# Allegro board meta_module_lay_rev1.brd (continued)
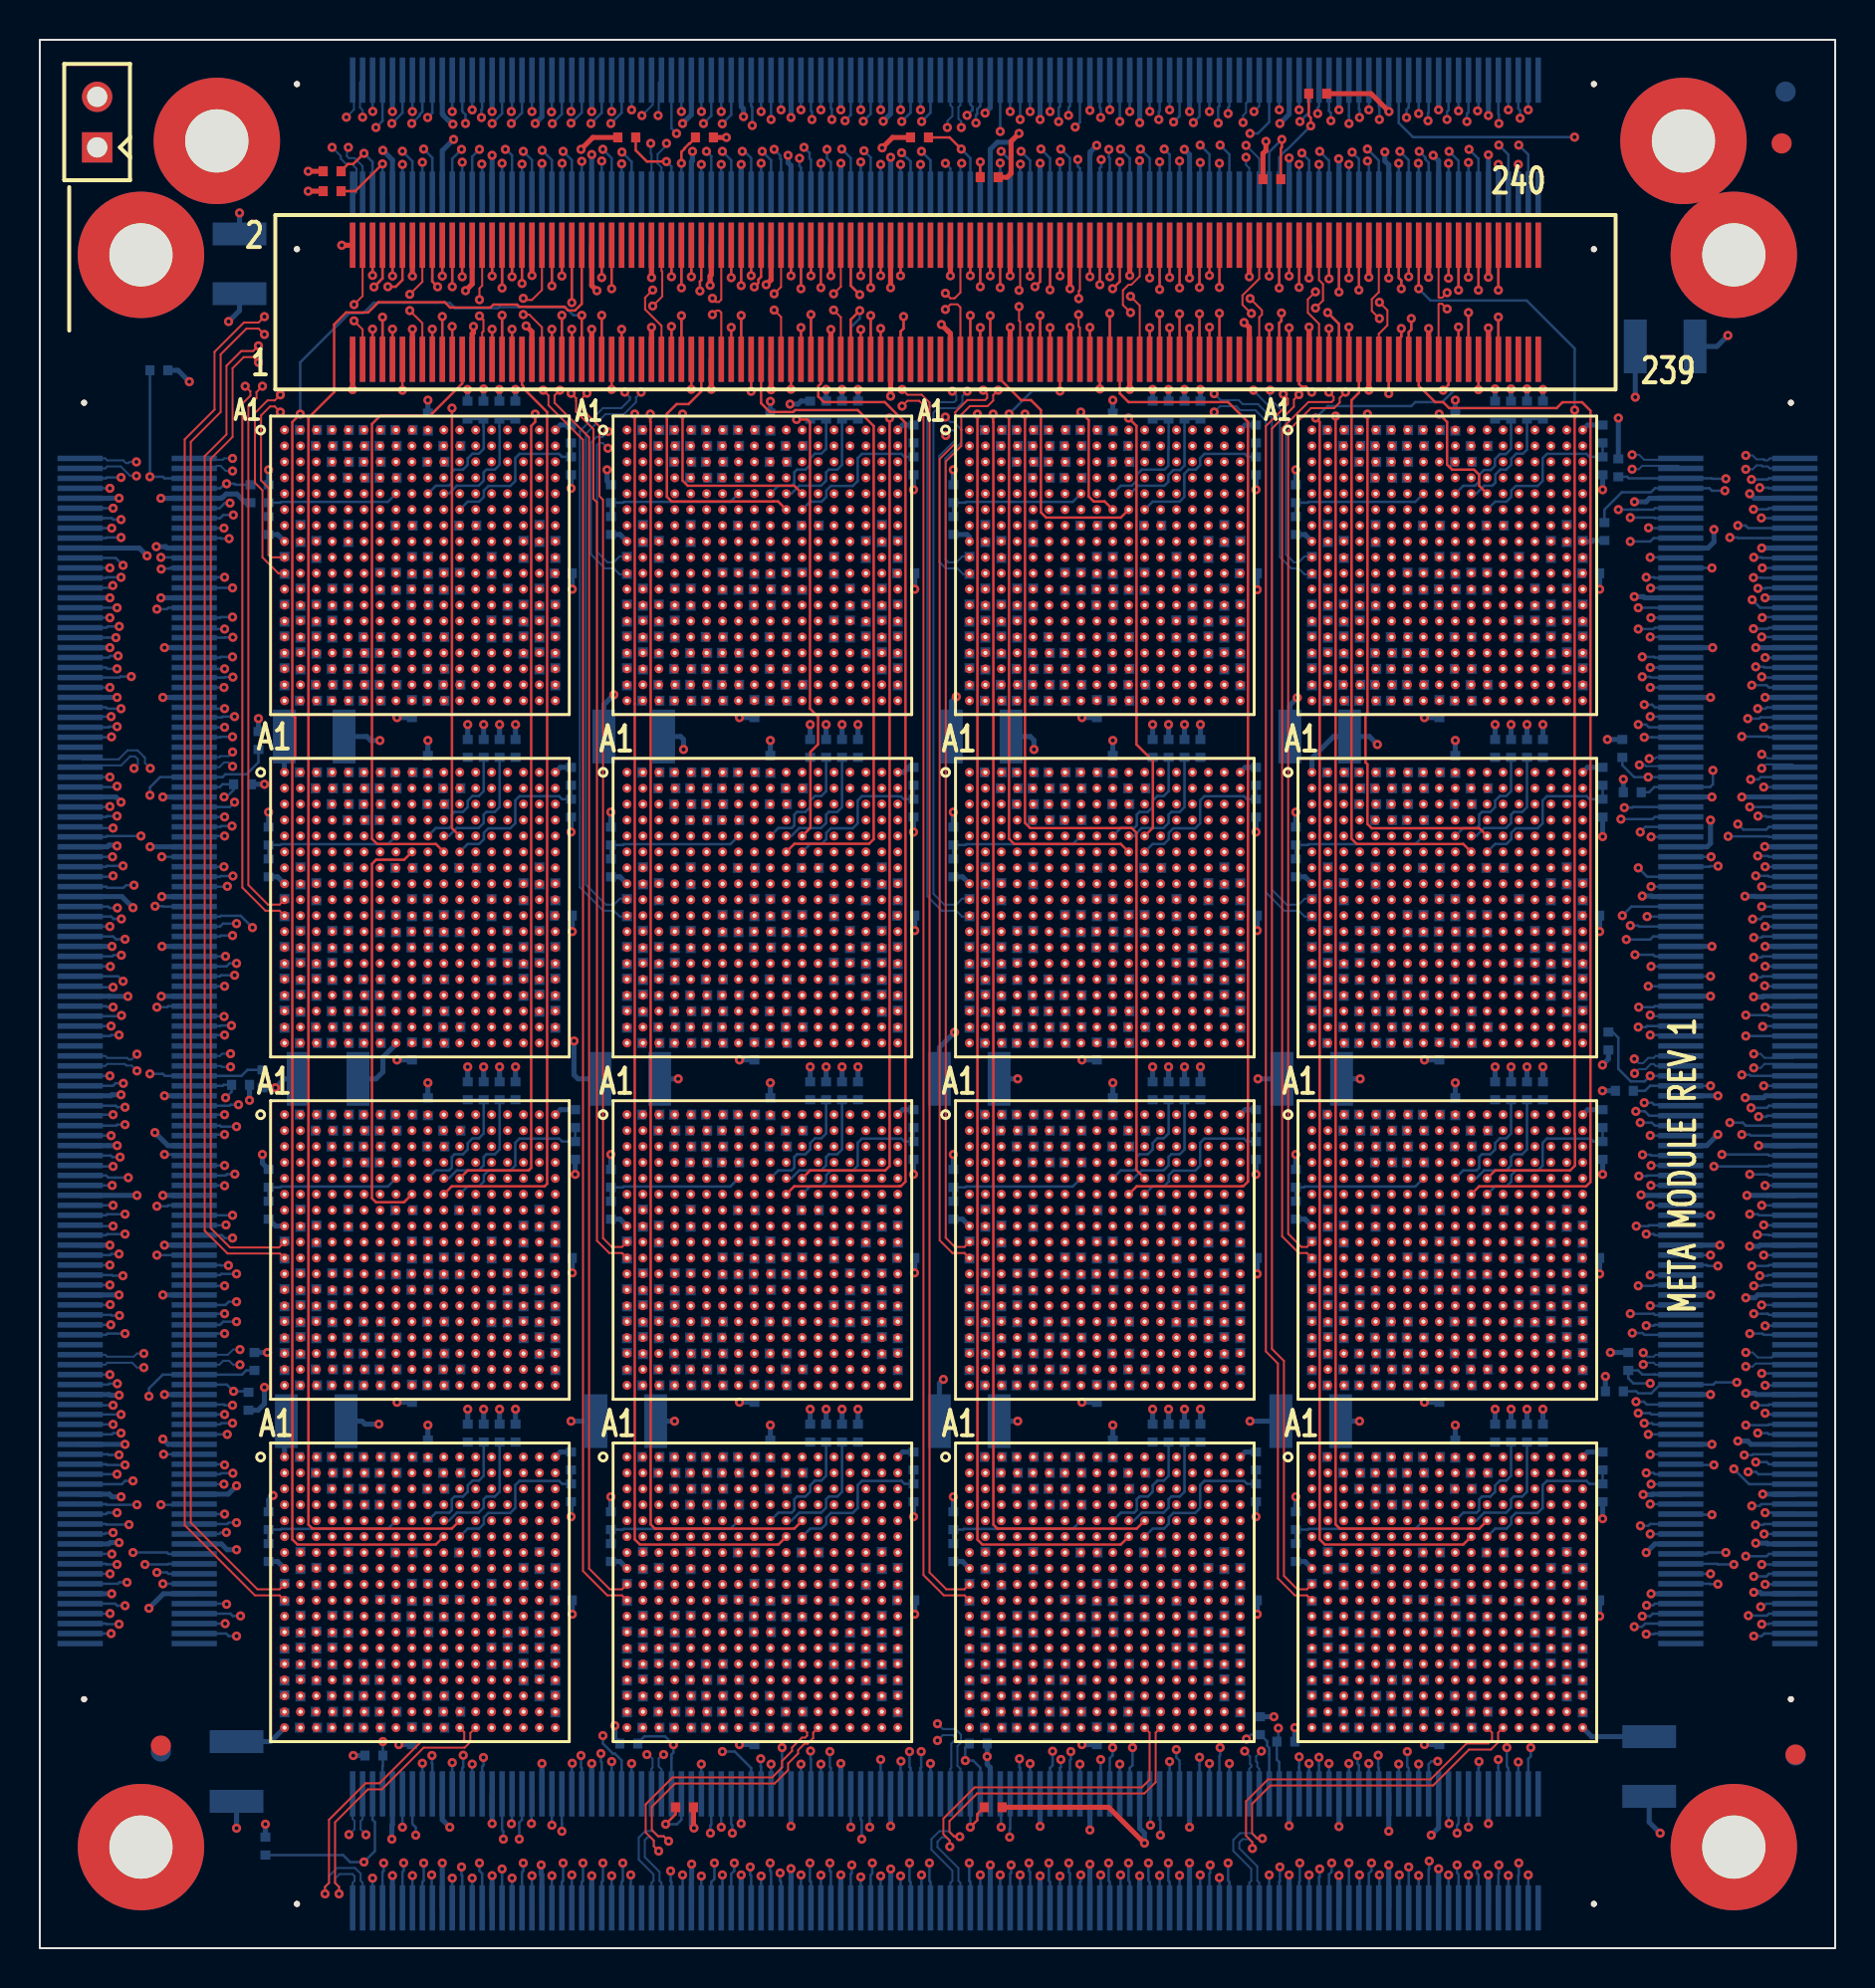
[diagram p0: board, top side]
## Routing (per net, layer and track width the routed paths; a pad name or vN(x,y) marks a point on that pad's centre or on a via; arc(x,y) is an arc through that point) (continued)
NS_DATA_P14_SNOW4-4: length 17.3
  SIGNAL_L9 w0.083: U13.T6 68.29,30.28 68.29,31.62 68.55,31.88 74.43,31.88 74.69,31.62 74.69,31.28 74.89,31.08 75.23,31.08 75.49,30.82 75.49,27.63 76.29,26.83 76.29,24.28 U14.B16
NS_DATA_P15: length 13.8
  SIGNAL_L5 w0.083: U2.R7 34.69,48.28 40.81,48.28 41.08,48.01 41.08,47.76 41.4,47.45 41.64,47.45 41.88,47.21 41.88,45.1 42.29,44.69 U9.A17
NS_DATA_P15_SNOW4-1: length 13.8
  SIGNAL_L5 w0.083: U1.R7 34.69,65.48 40.81,65.48 41.08,65.21 41.08,64.96 41.4,64.65 41.64,64.65 41.88,64.41 41.88,62.3 42.29,61.89 U2.A17
NS_DATA_P15_SNOW4-2: length 13.8
  SIGNAL_L5 w0.083: U5.R7 69.09,65.48 75.21,65.48 75.48,65.21 75.48,64.96 75.8,64.65 76.04,64.65 76.28,64.41 76.28,62.3 76.69,61.89 U6.A17
NS_DATA_P15_SNOW4-3: length 13.8
  SIGNAL_L5 w0.083: U10.A17 42.29,27.49 41.88,27.9 41.88,30.01 41.64,30.25 41.4,30.25 41.08,30.56 41.08,30.81 40.81,31.08 34.69,31.08 U9.R7
NS_DATA_P15_SNOW4-4: length 13.8
  SIGNAL_L5 w0.083: U13.R7 69.09,31.08 75.21,31.08 75.48,30.81 75.48,30.56 75.8,30.25 76.04,30.25 76.28,30.01 76.28,27.9 76.69,27.49 U14.A17
NS_DATA_P16: length 12.1
  SIGNAL_L5 w0.083: U15.D12 55.09,39.88 55.09,40.4 54.8,40.69 53.69,40.69 53.49,40.89 53.49,42.29 52.89,42.89 51.07,42.89 48.69,45.27 48.69,45.6 48.44,45.85 47.86,45.85 U8.V2
NS_DATA_P17: length 15.4
  SIGNAL_L9 w0.083: U15.C13 55.89,39.88 55.89,39.29 55.69,39.09 55.36,39.09 55.11,38.84 55.11,38.51 54.89,38.29 52.09,38.29 51.89,38.49 51.89,38.89 51.68,39.1 51.22,39.1 51.07,39.25 51.07,42.31 48.69,44.69 48.69,45.88 U8.U3
NS_DATA_P18: length 19.6
  SIGNAL_L6 w0.083: U15.B14 56.71,41.46 56.71,42.65 55.5,43.86 55.5,44.7 55.89,45.09 55.89,46.42 56.16,46.69 56.49,46.69 56.69,46.89 56.69,48.82 56.45,49.06 56.09,49.06 55.89,49.26 55.89,49.69 55.72,49.86 52.13,49.86 51.87,49.6 51.87,47.72 51.64,47.49 49.5,47.49 U8.T4
NS_DATA_P19: length 13.3
  SIGNAL_L5 w0.083: U8.R5 50.3,48.29 50.89,48.29 51.09,48.09 51.09,47.75 51.35,47.49 51.69,47.49 51.89,47.29 51.89,46.89 52.09,46.69 56.49,46.69 56.69,46.49 56.69,45.07 57.07,44.69 57.07,43.69 57.89,42.87 U15.A15
NS_DATA_P20: length 12.3
  SIGNAL_L5 w0.083: U15.D14 56.67,39.9 56.67,40.42 56.38,40.71 56.14,40.71 55.89,40.96 55.89,41.29 55.69,41.49 55.29,41.49 55.09,41.69 55.09,43.07 54.3,43.86 51.7,43.86 50.29,45.27 50.29,45.6 50.01,45.88 49.49,45.88 U8.V4
NS_DATA_P21: length 12.2
  SIGNAL_L5 w0.083: U15.C15 57.52,40.65 57.52,41.29 57.32,41.49 56.89,41.49 56.69,41.69 56.69,42.69 54.29,45.09 52.09,45.09 51.89,45.29 51.89,45.69 51.69,45.89 51.36,45.89 51.12,46.13 51.12,46.46 50.9,46.68 50.29,46.68 U8.U5
NS_DATA_P22: length 17.3
  SIGNAL_L9 w0.083: U15.B16 59.09,41.48 59.09,44.03 58.29,44.83 58.29,48.02 58.03,48.28 57.69,48.28 57.49,48.48 57.49,48.82 57.23,49.08 51.35,49.08 51.09,48.82 51.09,47.48 U8.T6
NS_DATA_P23: length 13.8
  SIGNAL_L5 w0.083: U15.A17 59.49,44.69 59.08,45.1 59.08,47.21 58.84,47.45 58.6,47.45 58.28,47.76 58.28,48.01 58.01,48.28 51.89,48.28 U8.R7
NS_DATA_P24: length 12.1
  SIGNAL_L5 w0.083: U13.D12 72.29,39.88 72.29,40.4 72,40.69 70.89,40.69 70.69,40.89 70.69,42.29 69.9,43.08 68.08,43.08 65.89,45.27 65.89,45.6 65.64,45.85 65.06,45.85 U6.V2
NS_DATA_P25: length 15.4
  SIGNAL_L9 w0.083: U6.U3 65.89,45.88 65.89,44.69 68.27,42.31 68.27,39.25 68.42,39.1 68.88,39.1 69.09,38.89 69.09,38.49 69.29,38.29 72.09,38.29 72.31,38.51 72.31,38.84 72.56,39.09 72.89,39.09 73.09,39.29 73.09,39.88 U13.C13
NS_DATA_P26: length 19.6
  SIGNAL_L6 w0.083: U6.T4 66.7,47.49 68.84,47.49 69.07,47.72 69.07,49.6 69.33,49.86 72.92,49.86 73.09,49.69 73.09,49.26 73.29,49.06 73.65,49.06 73.89,48.82 73.89,46.89 73.69,46.69 73.36,46.69 73.09,46.42 73.09,45.09 72.7,44.7 72.7,43.86 73.91,42.65 73.91,41.46 U13.B14
NS_DATA_P27: length 13.3
  SIGNAL_L5 w0.083: U6.R5 67.5,48.29 68.09,48.29 68.29,48.09 68.29,47.75 68.55,47.49 68.89,47.49 69.09,47.29 69.09,46.89 69.29,46.69 73.69,46.69 73.89,46.49 73.89,45.07 74.27,44.69 74.27,43.69 75.09,42.87 U13.A15
NS_DATA_P28: length 12.3
  SIGNAL_L5 w0.083: U6.V4 66.69,45.88 67.21,45.88 67.49,45.6 67.49,45.27 68.9,43.86 71.5,43.86 72.29,43.07 72.29,41.69 72.49,41.49 72.89,41.49 73.09,41.29 73.09,40.96 73.34,40.71 73.58,40.71 73.87,40.42 73.87,39.9 U13.D14
NS_DATA_P29: length 12.2
  SIGNAL_L5 w0.083: U13.C15 74.72,40.65 74.72,41.29 74.52,41.49 74.09,41.49 73.89,41.69 73.89,42.69 71.49,45.09 69.29,45.09 69.09,45.29 69.09,45.69 68.89,45.89 68.56,45.89 68.32,46.13 68.32,46.46 68.1,46.68 67.49,46.68 U6.U5
NS_DATA_P30: length 17.3
  SIGNAL_L9 w0.083: U13.B16 76.29,41.48 76.29,44.03 75.49,44.83 75.49,48.02 75.23,48.28 74.89,48.28 74.69,48.48 74.69,48.82 74.43,49.08 68.55,49.08 68.29,48.82 68.29,47.48 U6.T6
NS_DATA_P31: length 13.8
  SIGNAL_L5 w0.083: U6.R7 69.09,48.28 75.21,48.28 75.48,48.01 75.48,47.76 75.8,47.45 76.04,47.45 76.28,47.21 76.28,45.1 76.69,44.69 U13.A17
NS_FRAME_N0: length 9.3
  SIGNAL_L9 w0.083: U4.U8 17.48,46.69 16.89,46.69 16.69,46.49 16.69,44.29 18.29,42.69 18.29,39.88 U11.D9
NS_FRAME_N0_SNOW4-1: length 9.3
  SIGNAL_L9 w0.083: U4.D9 18.29,57.08 18.29,60.42 16.69,62.02 16.69,63.69 16.89,63.89 17.48,63.89 U3.U8
NS_FRAME_N0_SNOW4-2: length 9.3
  SIGNAL_L9 w0.083: U8.D9 52.69,57.08 52.69,59.89 51.09,61.49 51.09,63.69 51.29,63.89 51.88,63.89 U7.U8
NS_FRAME_N0_SNOW4-3: length 9.3
  SIGNAL_L9 w0.083: U11.U8 17.48,29.49 16.89,29.49 16.69,29.29 16.69,27.2 18.29,25.6 18.29,22.68 U12.D9
NS_FRAME_N0_SNOW4-4: length 9.3
  SIGNAL_L9 w0.083: U16.D9 52.69,22.68 52.69,25.49 51.09,27.09 51.09,29.29 51.29,29.49 51.88,29.49 U15.U8
NS_FRAME_N1: length 9.3
  SIGNAL_L9 w0.083: U9.D9 35.49,39.88 35.49,42.69 33.89,44.29 33.89,46.49 34.09,46.69 34.68,46.69 U2.U8
NS_FRAME_N1_SNOW4-1: length 9.3
  SIGNAL_L9 w0.083: U1.U8 34.68,63.89 34.09,63.89 33.89,63.69 33.89,61.49 35.49,59.89 35.49,57.08 U2.D9
NS_FRAME_N1_SNOW4-2: length 9.3
  SIGNAL_L9 w0.083: U5.U8 69.08,63.89 68.49,63.89 68.29,63.69 68.29,61.49 69.89,59.89 69.89,57.08 U6.D9
NS_FRAME_N1_SNOW4-3: length 9.3
  SIGNAL_L9 w0.083: U10.D9 35.49,22.68 35.49,25.49 33.89,27.09 33.89,29.29 34.09,29.49 34.68,29.49 U9.U8
NS_FRAME_N1_SNOW4-4: length 9.3
  SIGNAL_L9 w0.083: U13.U8 69.08,29.49 68.49,29.49 68.29,29.29 68.29,27.09 69.89,25.49 69.89,22.68 U14.D9
NS_FRAME_N2: length 9.3
  SIGNAL_L9 w0.083: U15.D9 52.69,39.88 52.69,42.69 51.09,44.29 51.09,46.49 51.29,46.69 51.88,46.69 U8.U8
NS_FRAME_N3: length 9.3
  SIGNAL_L9 w0.083: U6.U8 69.08,46.69 68.49,46.69 68.29,46.49 68.29,44.29 69.89,42.69 69.89,39.88 U13.D9
NS_FRAME_P0: length 7.8
  SIGNAL_L9 w0.083: U11.D10 19.09,39.88 19.09,42.69 17.49,44.29 17.49,45.88 U4.U7
NS_FRAME_P0_SNOW4-1: length 7.8
  SIGNAL_L9 w0.083: U3.U7 17.49,63.08 17.49,61.49 19.09,59.89 19.09,57.08 U4.D10
NS_FRAME_P0_SNOW4-2: length 7.8
  SIGNAL_L9 w0.083: U7.U7 51.89,63.08 51.89,61.49 53.49,59.89 53.49,57.08 U8.D10
NS_FRAME_P0_SNOW4-3: length 7.8
  SIGNAL_L9 w0.083: U12.D10 19.09,22.68 19.09,25.49 17.49,27.09 17.49,28.68 U11.U7
NS_FRAME_P0_SNOW4-4: length 7.8
  SIGNAL_L9 w0.083: U16.D10 53.49,22.68 53.49,25.49 51.89,27.09 51.89,28.68 U15.U7
NS_FRAME_P1: length 7.8
  SIGNAL_L9 w0.083: U2.U7 34.69,45.88 34.69,44.29 36.29,42.69 36.29,39.88 U9.D10
NS_FRAME_P1_SNOW4-1: length 7.8
  SIGNAL_L9 w0.083: U2.D10 36.29,57.08 36.29,59.89 34.69,61.49 34.69,63.08 U1.U7
NS_FRAME_P1_SNOW4-2: length 7.8
  SIGNAL_L9 w0.083: U6.D10 70.69,57.08 70.69,59.89 69.09,61.49 69.09,63.08 U5.U7
NS_FRAME_P1_SNOW4-3: length 7.8
  SIGNAL_L9 w0.083: U10.D10 36.29,22.68 36.29,25.49 34.69,27.09 34.69,28.68 U9.U7
NS_FRAME_P1_SNOW4-4: length 7.8
  SIGNAL_L9 w0.083: U14.D10 70.69,22.68 70.69,25.49 69.09,27.09 69.09,28.68 U13.U7
NS_FRAME_P2: length 7.8
  SIGNAL_L9 w0.083: U15.D10 53.49,39.88 53.49,42.69 51.89,44.29 51.89,45.88 U8.U7
NS_FRAME_P3: length 7.8
  SIGNAL_L9 w0.083: U6.U7 69.09,45.88 69.09,44.29 70.69,42.69 70.69,39.88 U13.D10
NS_LCLK_N0: length 6.8
  SIGNAL_L12 w0.081: U4.V7 16.83,45.22 16.83,44.23 18.05,43.01 20.32,43.01 21.09,42.24 U11.A12
NS_LCLK_N0_SNOW4-1: length 6.3
  SIGNAL_L12 w0.081: U3.V7 16.86,62.45 16.86,62.25 18.95,60.16 20.47,60.16 21.05,59.57 21.05,59.38 21.09,59.34 U4.A12
NS_LCLK_N0_SNOW4-2: length 6.7
  SIGNAL_L12 w0.081: U8.A12 55.49,59.47 54.68,60.28 52.55,60.28 51.28,61.55 51.28,62.48 51.36,62.56 51.37,62.56 U7.V7
NS_LCLK_N0_SNOW4-3: length 6.5
  SIGNAL_L12 w0.081: U11.V7 16.83,28.02 16.83,27.52 18.54,25.81 20.35,25.81 21.05,25.11 21.05,25.02 21.09,24.98 U12.A12
NS_LCLK_N0_SNOW4-4: length 6.8
  SIGNAL_L12 w0.081: U16.A12 55.48,24.69 55.48,25.11 54.91,25.68 52.63,25.68 51.26,27.05 51.26,28.06 51.36,28.16 51.37,28.16 U15.V7
NS_LCLK_N1: length 6.8
  SIGNAL_L12 w0.081: U2.V7 34.03,45.22 34.03,44.33 35.48,42.88 37.83,42.88 38.29,42.42 U9.A12
NS_LCLK_N1_SNOW4-1: length 6.7
  SIGNAL_L12 w0.081: U1.V7 34.03,62.42 34.03,61.7 35.67,60.06 37.77,60.06 38.25,59.57 38.25,59.42 38.29,59.38 U2.A12
NS_LCLK_N1_SNOW4-2: length 6.6
  SIGNAL_L12 w0.081: U5.V7 68.48,62.47 68.48,61.68 69.95,60.21 72.02,60.21 72.69,59.54 U6.A12
NS_LCLK_N1_SNOW4-3: length 6.6
  SIGNAL_L12 w0.081: U10.A12 38.29,25.09 38.26,25.12 38.26,25.27 37.8,25.73 35.88,25.73 34.08,27.53 34.08,28.07 U9.V7
NS_LCLK_N1_SNOW4-4: length 6.7
  SIGNAL_L12 w0.081: U14.A12 72.69,25.19 72.15,25.73 69.93,25.73 68.46,27.2 68.46,28.05 U13.V7
NS_LCLK_N2: length 6.6
  SIGNAL_L12 w0.081: U8.V7 51.26,45.25 51.26,44.5 52.65,43.11 54.7,43.11 55.49,42.32 U15.A12
NS_LCLK_N3: length 6.9
  SIGNAL_L12 w0.081: U6.V7 68.46,45.25 68.46,44.2 69.73,42.93 72.25,42.93 72.61,42.57 72.61,42.26 72.69,42.18 U13.A12
NS_LCLK_P0: length 8.3
  SIGNAL_L12 w0.081: U4.V6 16.5,45.27 16.5,44.09 17.91,42.68 20.18,42.68 20.68,42.18 20.68,41.77 20.94,41.51 21.48,41.51 21.84,41.88 U11.A13
NS_LCLK_P0_SNOW4-1: length 7.9
  SIGNAL_L12 w0.081: U3.V6 16.53,62.44 16.53,62.11 18.81,59.83 20.33,59.83 20.72,59.44 20.72,58.93 20.97,58.68 21.49,58.68 U4.A13
NS_LCLK_P0_SNOW4-2: length 8.2
  SIGNAL_L12 w0.081: U7.V6 50.95,62.42 50.95,61.41 52.41,59.95 54.54,59.95 55.12,59.37 55.12,58.93 55.34,58.71 55.92,58.71 U8.A13
NS_LCLK_P0_SNOW4-3: length 8.1
  SIGNAL_L12 w0.081: U12.A13 21.52,24.31 20.94,24.31 20.72,24.53 20.72,24.69 20.72,24.97 20.21,25.48 18.4,25.48 16.5,27.38 16.5,28.07 U11.V6
NS_LCLK_P0_SNOW4-4: length 8.4
  SIGNAL_L12 w0.081: U15.V6 50.93,28.04 50.93,26.91 52.49,25.35 54.77,25.35 55.15,24.97 55.15,24.86 55.12,24.83 55.12,24.53 55.34,24.31 55.71,24.31 56.08,24.68 U16.A13
NS_LCLK_P1: length 8.4
  SIGNAL_L12 w0.081: U9.A13 38.72,41.51 38.14,41.51 37.92,41.73 37.92,42.03 37.96,42.07 37.96,42.28 37.69,42.55 35.34,42.55 33.7,44.19 33.7,45.27 U2.V6
NS_LCLK_P1_SNOW4-1: length 8.2
  SIGNAL_L12 w0.081: U2.A13 38.72,58.71 38.14,58.71 37.92,58.93 37.92,58.96 37.92,59.09 37.92,59.44 37.63,59.73 35.53,59.73 33.7,61.56 33.7,62.47 U1.V6
NS_LCLK_P1_SNOW4-2: length 8.3
  SIGNAL_L12 w0.081: U6.A13 73.45,59.04 73.24,59.04 72.84,58.65 72.58,58.65 72.28,58.95 72.28,59.48 71.88,59.88 69.81,59.88 68.15,61.54 68.15,62.42 U5.V6
NS_LCLK_P1_SNOW4-3: length 8.1
  SIGNAL_L12 w0.081: U9.V6 33.75,28.02 33.75,27.39 35.74,25.4 37.66,25.4 37.93,25.13 37.93,24.84 37.92,24.83 37.92,24.53 38.14,24.31 38.72,24.31 U10.A13
NS_LCLK_P1_SNOW4-4: length 8.3
  SIGNAL_L12 w0.081: U14.A13 73.21,24.68 72.84,24.31 72.54,24.31 72.32,24.53 72.32,24.83 72.36,24.87 72.36,25.05 72.01,25.4 69.79,25.4 68.13,27.06 68.13,28.04 U13.V6
NS_LCLK_P2: length 8.2
  SIGNAL_L12 w0.081: U15.A13 56.01,41.88 55.64,41.51 55.34,41.51 55.12,41.73 55.12,42.22 54.56,42.78 52.51,42.78 50.93,44.36 50.93,45.24 U8.V6
NS_LCLK_P3: length 8.5
  SIGNAL_L12 w0.081: U6.V6 68.13,45.24 68.13,44.06 69.59,42.6 72.11,42.6 72.28,42.43 72.28,41.77 72.54,41.51 72.84,41.51 73.21,41.88 U13.A13
NS_WAIT_RD_N0: length 7.4
  SIGNAL_L10 w0.083: U4.U12 20.69,46.68 20.08,46.68 19.89,46.49 19.89,45.28 19.09,44.48 19.09,41.48 U11.B9
NS_WAIT_RD_N0_SNOW4-1: length 7.4
  SIGNAL_L10 w0.083: U3.U12 20.69,63.88 20.08,63.88 19.89,63.69 19.89,62.48 19.09,61.68 19.09,58.68 U4.B9
NS_WAIT_RD_N0_SNOW4-2: length 7.4
  SIGNAL_L10 w0.083: U7.U12 55.09,63.88 54.48,63.88 54.29,63.69 54.29,62.48 53.49,61.68 53.49,58.68 U8.B9
NS_WAIT_RD_N0_SNOW4-3: length 7.4
  SIGNAL_L10 w0.083: U12.B9 19.09,24.28 19.09,27.28 19.89,28.08 19.89,29.39 19.98,29.48 20.69,29.48 U11.U12
NS_WAIT_RD_N0_SNOW4-4: length 7.4
  SIGNAL_L10 w0.083: U16.B9 53.49,24.28 53.49,27.28 54.29,28.08 54.29,29.39 54.38,29.48 55.09,29.48 U15.U12
NS_WAIT_RD_N1: length 7.4
  SIGNAL_L10 w0.083: U2.U12 37.89,46.68 37.28,46.68 37.09,46.49 37.09,45.28 36.29,44.48 36.29,41.48 U9.B9
NS_WAIT_RD_N1_SNOW4-1: length 7.4
  SIGNAL_L10 w0.083: U1.U12 37.89,63.88 37.28,63.88 37.09,63.69 37.09,62.48 36.29,61.68 36.29,58.68 U2.B9
NS_WAIT_RD_N1_SNOW4-2: length 7.4
  SIGNAL_L10 w0.083: U5.U12 72.29,63.88 71.68,63.88 71.49,63.69 71.49,62.48 70.69,61.68 70.69,58.68 U6.B9
NS_WAIT_RD_N1_SNOW4-3: length 7.4
  SIGNAL_L10 w0.083: U10.B9 36.29,24.28 36.29,27.28 37.09,28.08 37.09,29.29 37.28,29.48 37.89,29.48 U9.U12
NS_WAIT_RD_N1_SNOW4-4: length 7.4
  SIGNAL_L10 w0.083: U13.U12 72.29,29.48 71.68,29.48 71.49,29.29 71.49,28.08 70.69,27.28 70.69,24.28 U14.B9
NS_WAIT_RD_N2: length 7.4
  SIGNAL_L10 w0.083: U8.U12 55.09,46.68 54.48,46.68 54.28,46.48 54.28,45.27 53.49,44.48 53.49,41.48 U15.B9
NS_WAIT_RD_N3: length 7.4
  SIGNAL_L10 w0.083: U6.U12 72.29,46.68 71.68,46.68 71.49,46.49 71.49,45.28 70.69,44.48 70.69,41.48 U13.B9
NS_WAIT_RD_P0: length 5.9
  SIGNAL_L10 w0.083: U4.U11 20.69,45.88 20.69,45.28 19.89,44.48 19.89,41.48 19.75,41.34 U11.B10
NS_WAIT_RD_P0_SNOW4-1: length 5.9
  SIGNAL_L10 w0.083: U3.U11 20.69,63.08 20.69,62.48 19.89,61.68 19.89,58.68 19.75,58.54 U4.B10
NS_WAIT_RD_P0_SNOW4-2: length 5.9
  SIGNAL_L10 w0.083: U8.B10 54.15,58.54 54.29,58.68 54.29,61.68 55.09,62.48 55.09,63.08 U7.U11
NS_WAIT_RD_P0_SNOW4-3: length 5.9
  SIGNAL_L10 w0.083: U12.B10 19.75,24.14 19.89,24.28 19.89,27.28 20.69,28.08 20.69,28.68 U11.U11
NS_WAIT_RD_P0_SNOW4-4: length 5.9
  SIGNAL_L10 w0.083: U15.U11 55.09,28.68 55.09,28.08 54.29,27.28 54.29,24.28 54.15,24.14 U16.B10
NS_WAIT_RD_P1: length 5.9
  SIGNAL_L10 w0.083: U2.U11 37.89,45.88 37.89,45.28 37.09,44.48 37.09,41.48 36.95,41.34 U9.B10
NS_WAIT_RD_P1_SNOW4-1: length 5.9
  SIGNAL_L10 w0.083: U2.B10 36.95,58.54 37.09,58.68 37.09,61.68 37.89,62.48 37.89,63.08 U1.U11
NS_WAIT_RD_P1_SNOW4-2: length 5.9
  SIGNAL_L10 w0.083: U6.B10 71.35,58.54 71.49,58.68 71.49,61.68 72.29,62.48 72.29,63.08 U5.U11
NS_WAIT_RD_P1_SNOW4-3: length 5.9
  SIGNAL_L10 w0.083: U10.B10 36.95,24.14 37.09,24.28 37.09,27.28 37.89,28.08 37.89,28.68 U9.U11
NS_WAIT_RD_P1_SNOW4-4: length 5.9
  SIGNAL_L10 w0.083: U14.B10 71.35,24.14 71.49,24.28 71.49,27.28 72.29,28.08 72.29,28.68 U13.U11
NS_WAIT_RD_P2: length 5.9
  SIGNAL_L10 w0.083: U15.B10 54.15,41.34 54.29,41.48 54.29,44.48 55.09,45.28 55.09,45.88 U8.U11
NS_WAIT_RD_P3: length 5.9
  SIGNAL_L10 w0.083: U6.U11 72.29,45.88 72.29,45.28 71.49,44.48 71.49,41.48 71.35,41.34 U13.B10
NS_WAIT_WR_N0: length 19.4
  SIGNAL_L10 w0.083: U11.C9 18.3,40.67 17.58,40.67 17.48,40.57 17.48,39.28 17.68,39.08 18.88,39.08 19.12,39.32 19.12,39.63 19.36,39.87 21.22,39.87 21.46,40.12 21.46,42.68 21.89,43.11 21.89,44.68 22.29,45.08 22.29,48 21.98,48.31 20.14,48.31 19.86,48.03 19.86,47.45 U4.T10
NS_WAIT_WR_N0_SNOW4-1: length 11.7
  SIGNAL_L10 w0.083: U3.T11 20.69,64.68 21.29,64.68 21.49,64.48 21.49,62.28 20.69,61.48 20.69,58.08 20.49,57.88 19.37,57.88 19.12,57.63 19.12,57.39 18.81,57.08 18.3,57.08 U4.C8
NS_WAIT_WR_N0_SNOW4-2: length 11.7
  SIGNAL_L10 w0.083: U7.T11 55.09,64.68 55.69,64.68 55.89,64.48 55.89,62.28 55.09,61.48 55.09,58.08 54.89,57.88 53.77,57.88 53.52,57.63 53.52,57.39 53.21,57.08 52.7,57.08 U8.C8
NS_WAIT_WR_N0_SNOW4-3: length 11.7
  SIGNAL_L10 w0.083: U12.C8 18.3,22.68 18.81,22.68 19.12,22.99 19.12,23.23 19.37,23.48 20.49,23.48 20.69,23.68 20.69,27.08 21.49,27.88 21.49,30.08 21.29,30.28 20.69,30.28 U11.T11
NS_WAIT_WR_N0_SNOW4-4: length 11.7
  SIGNAL_L10 w0.083: U16.C8 52.7,22.68 53.21,22.68 53.52,22.99 53.52,23.23 53.77,23.48 54.89,23.48 55.09,23.68 55.09,27.08 55.89,27.88 55.89,30.08 55.69,30.28 55.09,30.28 U15.T11
NS_WAIT_WR_N1: length 19.3
  SIGNAL_L10 w0.083: U9.C9 35.5,40.67 34.87,40.67 34.68,40.48 34.68,39.28 34.88,39.08 36.08,39.08 36.32,39.32 36.32,39.63 36.56,39.87 38.42,39.87 38.66,40.12 38.66,42.68 39.09,43.11 39.09,44.68 39.49,45.08 39.49,48 39.18,48.31 37.34,48.31 37.06,48.03 37.06,47.45 U2.T10
NS_WAIT_WR_N1_SNOW4-1: length 11.7
  SIGNAL_L10 w0.083: U2.C8 35.49,57.08 36.01,57.08 36.32,57.39 36.32,57.63 36.57,57.88 37.69,57.88 37.89,58.08 37.89,61.48 38.69,62.28 38.69,64.48 38.49,64.68 37.89,64.68 U1.T11
NS_WAIT_WR_N1_SNOW4-2: length 11.7
  SIGNAL_L10 w0.083: U5.T11 72.29,64.68 72.89,64.68 73.09,64.48 73.09,62.28 72.29,61.48 72.29,58.08 72.09,57.88 70.97,57.88 70.72,57.63 70.72,57.39 70.41,57.08 69.89,57.08 U6.C8
NS_WAIT_WR_N1_SNOW4-3: length 11.7
  SIGNAL_L10 w0.083: U10.C8 35.49,22.68 36.01,22.68 36.32,22.99 36.32,23.23 36.57,23.48 37.69,23.48 37.89,23.68 37.89,27.08 38.69,27.88 38.69,30.08 38.49,30.28 37.89,30.28 U9.T11
NS_WAIT_WR_N1_SNOW4-4: length 11.7
  SIGNAL_L10 w0.083: U13.T11 72.29,30.28 72.89,30.28 73.09,30.08 73.09,27.88 72.29,27.08 72.29,23.68 72.09,23.48 70.97,23.48 70.72,23.23 70.72,22.99 70.41,22.68 69.89,22.68 U14.C8
NS_WAIT_WR_N2: length 11.7
  SIGNAL_L10 w0.083: U15.C8 52.7,39.88 53.21,39.88 53.52,40.19 53.52,40.43 53.77,40.68 54.89,40.68 55.09,40.88 55.09,44.28 55.89,45.08 55.89,47.28 55.69,47.48 55.09,47.48 U8.T11
NS_WAIT_WR_N3: length 11.7
  SIGNAL_L10 w0.083: U6.T11 72.29,47.48 72.89,47.48 73.09,47.28 73.09,45.08 72.29,44.28 72.29,40.88 72.09,40.68 70.97,40.68 70.72,40.43 70.72,40.19 70.41,39.88 69.89,39.88 U13.C8
NS_WAIT_WR_P0: length 11.7
  SIGNAL_L10 w0.083: U11.C8 18.3,39.88 18.81,39.88 19.12,40.19 19.12,40.43 19.37,40.68 20.49,40.68 20.69,40.88 20.69,44.28 21.49,45.08 21.49,47.28 21.29,47.48 20.69,47.48 U4.T11
NS_WAIT_WR_P0_SNOW4-1: length 19.4
  SIGNAL_L10 w0.083: U4.C9 18.3,57.87 17.58,57.87 17.48,57.77 17.48,56.48 17.68,56.28 18.88,56.28 19.12,56.52 19.12,56.83 19.36,57.07 21.22,57.07 21.46,57.32 21.46,59.88 21.89,60.31 21.89,61.88 22.29,62.28 22.29,65.2 21.98,65.51 20.14,65.51 19.86,65.23 19.86,64.65 U3.T10
NS_WAIT_WR_P0_SNOW4-2: length 19.3
  SIGNAL_L10 w0.083: U7.T10 54.26,64.65 54.26,65.23 54.54,65.51 56.38,65.51 56.69,65.2 56.69,62.28 56.29,61.88 56.29,60.31 55.86,59.88 55.86,57.32 55.62,57.07 53.76,57.07 53.52,56.83 53.52,56.52 53.28,56.28 52.08,56.28 51.88,56.48 51.88,57.68 52.07,57.87 52.7,57.87 U8.C9
NS_WAIT_WR_P0_SNOW4-3: length 19.4
  SIGNAL_L10 w0.083: U11.T10 19.86,30.25 19.86,30.83 20.14,31.11 21.98,31.11 22.29,30.8 22.29,27.88 21.89,27.48 21.89,25.91 21.46,25.48 21.46,22.92 21.22,22.67 19.36,22.67 19.12,22.43 19.12,22.12 18.88,21.88 17.68,21.88 17.48,22.08 17.48,23.37 17.58,23.47 18.3,23.47 U12.C9
NS_WAIT_WR_P0_SNOW4-4: length 19.3
  SIGNAL_L10 w0.083: U16.C9 52.7,23.47 52.07,23.47 51.88,23.28 51.88,22.08 52.08,21.88 53.28,21.88 53.52,22.12 53.52,22.43 53.76,22.67 55.62,22.67 55.86,22.92 55.86,25.48 56.29,25.91 56.29,27.48 56.69,27.88 56.69,30.8 56.38,31.11 54.54,31.11 54.26,30.83 54.26,30.25 U15.T10
NS_WAIT_WR_P1: length 11.7
  SIGNAL_L10 w0.083: U9.C8 35.49,39.88 36.01,39.88 36.32,40.19 36.32,40.43 36.57,40.68 37.69,40.68 37.89,40.88 37.89,44.28 38.69,45.08 38.69,47.28 38.49,47.48 37.89,47.48 U2.T11
NS_WAIT_WR_P1_SNOW4-1: length 19.3
  SIGNAL_L10 w0.083: U2.C9 35.5,57.87 34.87,57.87 34.68,57.68 34.68,56.48 34.88,56.28 36.08,56.28 36.32,56.52 36.32,56.83 36.56,57.07 38.42,57.07 38.66,57.32 38.66,59.88 39.09,60.31 39.09,61.88 39.49,62.28 39.49,65.2 39.18,65.51 37.34,65.51 37.06,65.23 37.06,64.65 U1.T10
NS_WAIT_WR_P1_SNOW4-2: length 19.3
  SIGNAL_L10 w0.083: U6.C9 69.9,57.87 69.27,57.87 69.08,57.68 69.08,56.48 69.28,56.28 70.48,56.28 70.72,56.52 70.72,56.83 70.96,57.07 72.82,57.07 73.06,57.32 73.06,59.88 73.49,60.31 73.49,61.88 73.89,62.28 73.89,65.2 73.58,65.51 71.74,65.51 71.46,65.23 71.46,64.65 U5.T10
NS_WAIT_WR_P1_SNOW4-3: length 19.3
  SIGNAL_L10 w0.083: U9.T10 37.06,30.25 37.06,30.83 37.34,31.11 39.18,31.11 39.49,30.8 39.49,27.88 39.09,27.48 39.09,25.91 38.66,25.48 38.66,22.92 38.42,22.67 36.56,22.67 36.32,22.43 36.32,22.12 36.08,21.88 34.88,21.88 34.68,22.08 34.68,23.28 34.87,23.47 35.5,23.47 U10.C9
NS_WAIT_WR_P1_SNOW4-4: length 19.3
  SIGNAL_L10 w0.083: U14.C9 69.9,23.47 69.27,23.47 69.08,23.28 69.08,22.08 69.28,21.88 70.48,21.88 70.72,22.12 70.72,22.43 70.96,22.67 72.82,22.67 73.06,22.92 73.06,25.48 73.49,25.91 73.49,27.48 73.89,27.88 73.89,30.8 73.58,31.11 71.74,31.11 71.46,30.83 71.46,30.25 U13.T10
NS_WAIT_WR_P2: length 19.3
  SIGNAL_L10 w0.083: U8.T10 54.26,47.45 54.26,48.03 54.54,48.31 56.38,48.31 56.69,48 56.69,45.08 56.29,44.68 56.29,43.11 55.86,42.68 55.86,40.12 55.62,39.87 53.76,39.87 53.52,39.63 53.52,39.32 53.28,39.08 52.08,39.08 51.88,39.28 51.88,40.48 52.07,40.67 52.7,40.67 U15.C9
NS_WAIT_WR_P3: length 19.3
  SIGNAL_L10 w0.083: U6.T10 71.46,47.45 71.46,48.03 71.74,48.31 73.58,48.31 73.89,48 73.89,45.08 73.49,44.68 73.49,43.11 73.06,42.68 73.06,40.12 72.82,39.87 70.96,39.87 70.72,39.63 70.72,39.32 70.48,39.08 69.28,39.08 69.08,39.28 69.08,40.48 69.27,40.67 69.9,40.67 U13.C9
PC0: length 3
  TOP w0.127: J16.5 v1(16.71,81.35)
  BOTTOM w0.127: J18.235 16.71,79.84 v1(16.71,81.35)
PC1: length 3
  TOP w0.127: J16.6 v1(16.71,84.05)
  BOTTOM w0.127: J18.236 16.71,84.98 16.71,84.98 v1(16.71,84.05)
PC2: length 4.2
  TOP w0.127: v1(17.21,81.95) J16.7
  BOTTOM w0.127: v1(17.21,81.95) J18.233
PC3: length 4.5
  TOP w0.127: v1(16.78,83.47) 17.21,83.9 J16.8
  BOTTOM w0.127: J18.234 17.21,83.91 17.06,83.76 17.06,83.74 v1(16.78,83.47)
PC4: length 3
  TOP w0.127: J16.9 v1(17.71,81.35)
  BOTTOM w0.127: J18.231 v1(17.71,81.35)
PC5: length 3.1
  TOP w0.127: v1(17.71,84.02) 17.71,84.02 J16.10
  BOTTOM w0.127: v1(17.71,84.02) 17.71,84.02 J18.232
PC6: length 3
  TOP w0.127: v1(19.71,81.35) J16.17
  BOTTOM w0.127: J18.223 19.71,79.84 v1(19.71,81.35)
PC7: length 4.4
  TOP w0.127: J16.18 19.71,83.74 v1(19.98,83.48)
  BOTTOM w0.127: J18.224 19.71,85.56 19.71,83.94 19.7,83.93 19.7,83.75 v1(19.98,83.48)
PC8: length 4.3
  TOP w0.127: J16.19 v1(20.21,81.98)
  BOTTOM w0.127: v1(20.21,81.98) J18.221
PC9: length 3.1
  TOP w0.127: v1(20.21,84.01) J16.20
  BOTTOM w0.127: v1(20.21,84.01) J18.222
PC10: length 3.3
  TOP w0.127: v1(20.71,81.48) 20.71,81.48 J16.21
  BOTTOM w0.127: J18.219 20.71,81.48 v1(20.71,81.48)
PC11: length 4.2
  TOP w0.127: J16.22 v1(20.71,83.48)
  BOTTOM w0.127: v1(20.71,83.48) J18.220
PC12: length 3
  TOP w0.127: J16.29 v1(22.72,81.34)
  BOTTOM w0.127: v1(22.72,81.34) J18.211
PC13: length 3.1
  TOP w0.127: J16.30 v1(22.72,84.02)
  BOTTOM w0.127: J18.212 v1(22.72,84.02)
PC14: length 4.4
  TOP w0.127: v1(23.22,82.04) J16.31
  BOTTOM w0.127: v1(23.22,82.04) J18.209
PC15: length 4.3
  TOP w0.127: v1(23.22,83.42) J16.32
  BOTTOM w0.127: v1(23.22,83.42) J18.210
PC16: length 3
  TOP w0.127: J16.33 v1(23.72,81.34)
  BOTTOM w0.127: v1(23.72,81.34) J18.207
PC17: length 3.2
  TOP w0.127: J16.34 v1(23.72,83.98)
  BOTTOM w0.127: v1(23.72,83.98) J18.208
PC18: length 3
  TOP w0.127: v1(25.72,81.34) J16.41
  BOTTOM w0.127: v1(25.72,81.34) J18.199
PC19: length 4.1
  TOP w0.127: J16.42 v1(25.72,83.52)
  BOTTOM w0.127: J18.200 v1(25.72,83.52)
PC20: length 4.4
  TOP w0.127: J16.43 v1(26.22,82.04)
  BOTTOM w0.127: J18.197 26.22,81.65 v1(26.22,82.04)
PC21: length 3.1
  TOP w0.127: v1(26.22,84.02) J16.44
  BOTTOM w0.127: v1(26.22,84.02) J18.198
PC22: length 3
  TOP w0.127: v1(26.72,81.34) J16.45
  BOTTOM w0.127: J18.195 26.72,79.84 v1(26.72,81.34)
PC23: length 5.8
  TOP w0.127: v1(26.72,82.68) J16.46
  BOTTOM w0.127: J18.196 26.72,85.56 v1(26.72,82.68)
PC24: length 4.4
  TOP w0.127: J16.51 v1(28.22,82.04)
  BOTTOM w0.127: v1(28.22,82.04) J18.189
PC25: length 3.2
  TOP w0.127: v1(28.22,83.94) J16.52
  BOTTOM w0.127: v1(28.22,83.94) J18.190
PC26: length 3.3
  TOP w0.127: v1(31.72,81.48) J16.65
  BOTTOM w0.127: v1(31.72,81.48) 31.72,79.84 J18.175
PC27: length 3.2
  TOP w0.127: v1(31.72,83.98) J16.66
  BOTTOM w0.127: v1(31.72,83.98) 31.72,85.56 J18.176
PC28: length 4.4
  TOP w0.127: v1(32.22,82.02) J16.67
  BOTTOM w0.127: v1(32.22,82.02) J18.173
PC29: length 4.3
  TOP w0.127: J16.68 v1(32.22,83.42)
  BOTTOM w0.127: J18.174 v1(32.22,83.42)
PC30: length 3
  TOP w0.127: J16.69 v1(32.72,78.32)
  BOTTOM w0.127: J18.171 v1(32.72,78.32)
PC31: length 3.2
  TOP w0.127: v1(32.72,83.98) J16.70
  BOTTOM w0.127: v1(32.72,83.98) J18.172
PC32: length 3.2
  TOP w0.127: v1(34.73,81.43) J16.77
  BOTTOM w0.127: v1(34.73,81.43) 34.73,79.84 J18.163
PC33: length 3.3
  TOP w0.127: v1(34.73,83.93) J16.78
  BOTTOM w0.127: J18.164 34.73,85.56 v1(34.73,83.93)
PC34: length 4.4
  TOP w0.127: v1(35.23,82.03) J16.79
  BOTTOM w0.127: v1(35.23,82.03) 35.23,79.84 J18.161
PC35: length 4.1
  TOP w0.127: J16.80 v1(35.23,83.53)
  BOTTOM w0.127: v1(35.23,83.53) 35.23,85.56 J18.162
PC36: length 3.2
  TOP w0.127: J16.81 v1(35.73,78.23)
  BOTTOM w0.127: v1(35.73,78.23) J16.81 J18.159
PC37: length 3.1
  TOP w0.127: v1(35.73,84.03) J16.82
  BOTTOM w0.127: v1(35.73,84.03) J18.160
PC38: length 3
  TOP w0.127: v1(37.73,78.33) J16.89
  BOTTOM w0.127: J18.151 v1(37.73,78.33)
PC39: length 3.1
  TOP w0.127: J16.90 v1(37.73,84.03)
  BOTTOM w0.127: J18.152 v1(37.73,84.03)
PC40: length 3.2
  TOP w0.127: v1(38.23,81.43) J16.91
  BOTTOM w0.127: v1(38.23,81.43) J18.149
PC41: length 4.4
  TOP w0.127: v1(38.23,83.38) J16.92
  BOTTOM w0.127: v1(38.23,83.38) J18.150
PC42: length 4.5
  TOP w0.127: J16.93 v1(38.73,82.08)
  BOTTOM w0.127: v1(38.73,82.08) J18.147
PC43: length 3.1
  TOP w0.127: J16.94 v1(38.73,84.03)
  BOTTOM w0.127: v1(38.73,84.03) J18.148
PC44: length 5.3
  TOP w0.127: v1(41.18,82.28) 40.73,81.83 J16.101
  BOTTOM w0.127: J18.139 40.73,79.84 40.73,81.44 41.18,81.89 v1(41.18,82.28)
PC45: length 5.3
  TOP w0.127: v1(41.18,83.08) 40.73,83.53 J16.102
  BOTTOM w0.127: J18.140 40.73,85.56 40.73,83.53 v1(41.18,83.08)
PC46: length 3
  TOP w0.127: v1(41.23,81.33) J16.103
  BOTTOM w0.127: v1(41.23,81.33) J18.137
PC47: length 3.1
  TOP w0.127: J16.104 v1(41.23,84.03)